# KiCad board manila_ice.kicad_pcb (continued)
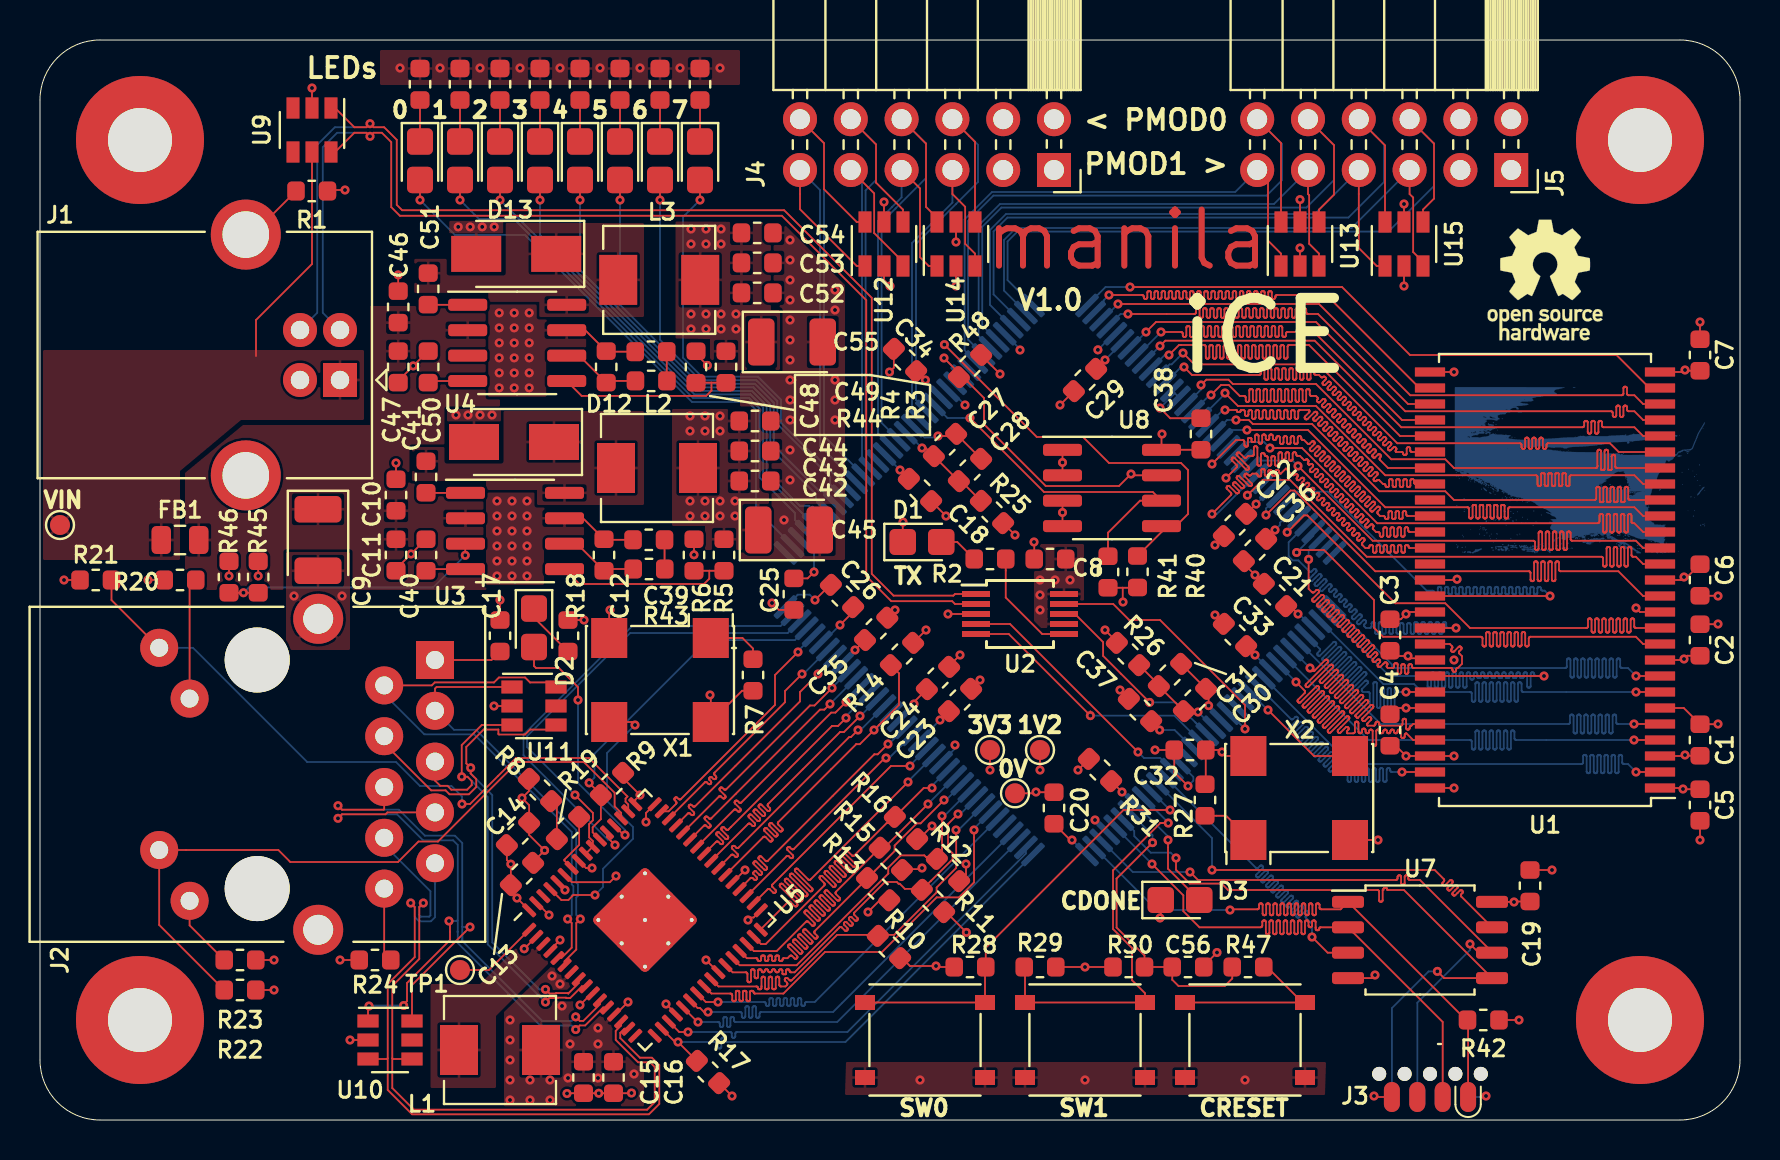
[diagram p0: board, top side]
## Routing (per net, layer and track width the routed paths; a pad name or vN(x,y) marks a point on that pad's centre or on a via; arc(x,y) is an arc through that point) (continued)
/SDRAM/ADDRESS1: length 31
  Top w0.089: v1(55.3,39.4) 55.8,39.9 63.8,39.9 68.26,35.44 78.55,35.44 78.57,35.44 78.59,35.43 78.6,35.42 78.62,35.4 78.63,35.39 78.64,35.37 78.64,35.35 78.64,35.24 78.64,35.22 78.65,35.2 78.66,35.18 78.67,35.17 78.69,35.16 78.71,35.15 78.73,35.15 78.75,35.15 78.77,35.16 78.78,35.17 78.8,35.18 78.81,35.2 78.81,35.22 78.82,35.24 78.82,35.64 78.82,35.66 78.82,35.67 78.83,35.69 78.85,35.7 78.87,35.72 78.88,35.72 78.9,35.72 78.92,35.72 78.94,35.72 78.96,35.7 78.97,35.69 78.98,35.67 78.99,35.66 78.99,35.64 78.99,35.24 79,35.22 79,35.2 79.01,35.18 79.03,35.17 79.04,35.16 79.06,35.15 79.08,35.15 79.1,35.15 79.12,35.16 79.14,35.17 79.15,35.18 79.16,35.2 79.17,35.22 79.17,35.24 79.17,35.64 79.17,35.66 79.18,35.67 79.19,35.69 79.2,35.7 79.22,35.72 79.24,35.72 79.26,35.72 79.28,35.72 79.3,35.72 79.32,35.7 79.33,35.69 79.34,35.67 79.35,35.66 79.35,35.64 79.35,35.53 79.35,35.51 79.36,35.49 79.37,35.47 79.38,35.46 79.4,35.45 79.42,35.44 79.44,35.44 79.72,35.44 80.16,35 U1.24
  Bottom w0.089: v1(55.3,39.4) 54.51,38.61 U6.7
/SDRAM/ADDRESS2: length 31
  Top w0.089: U1.25 80.16,35.8 79.72,36.24 79.44,36.24 79.42,36.24 79.4,36.25 79.38,36.26 79.37,36.27 79.36,36.29 79.35,36.31 79.35,36.33 79.35,36.58 79.35,36.6 79.34,36.62 79.33,36.63 79.32,36.65 79.3,36.66 79.28,36.67 79.26,36.67 79.24,36.67 79.22,36.66 79.2,36.65 79.19,36.63 79.18,36.62 79.17,36.6 79.17,36.58 79.17,36.33 79.17,36.31 79.16,36.29 79.15,36.27 79.14,36.26 79.12,36.25 79.1,36.24 79.08,36.24 68.51,36.24 63.95,40.8 v1(53.9,40.8)
  Bottom w0.089: v1(53.9,40.8) 53.12,40.02 U6.3 53.06,40.03
/SDRAM/ADDRESS3: length 31.2
  Top w0.089: v1(54.5,41.65) 65.1,41.65 68.5,38.25 78.82,38.25 80.47,36.6 U1.26
  Bottom w0.089: v1(54.5,41.65) 53.27,41.65 U6.1 52.48,40.73
/SDRAM/ADDRESS4: length 31
  Top w0.089: v1(53.45,41.25) 55.1,41.25 55.12,41.25 55.14,41.24 55.16,41.23 55.17,41.22 55.18,41.2 55.19,41.18 55.19,41.16 55.19,41.14 55.19,41.12 55.2,41.1 55.21,41.08 55.22,41.07 55.24,41.06 55.26,41.05 55.28,41.05 55.3,41.05 55.32,41.06 55.33,41.07 55.35,41.08 55.36,41.1 55.36,41.12 55.37,41.14 55.37,41.36 55.37,41.38 55.38,41.4 55.39,41.42 55.4,41.43 55.42,41.44 55.44,41.45 55.46,41.45 55.48,41.45 55.49,41.44 55.51,41.43 55.53,41.42 55.54,41.4 55.54,41.38 55.54,41.36 55.54,41.14 55.55,41.12 55.55,41.1 55.56,41.08 55.58,41.07 55.59,41.06 55.61,41.05 55.63,41.05 55.65,41.05 55.67,41.06 55.69,41.07 55.7,41.08 55.71,41.1 55.72,41.12 55.72,41.14 55.72,41.36 55.72,41.38 55.73,41.4 55.74,41.42 55.76,41.43 55.77,41.44 55.79,41.45 55.81,41.45 55.83,41.45 55.85,41.44 55.87,41.43 55.88,41.42 55.89,41.4 55.9,41.38 55.9,41.36 55.9,41.14 55.9,41.12 55.91,41.1 55.92,41.08 55.93,41.07 55.95,41.06 55.97,41.05 55.99,41.05 56.01,41.05 56.03,41.06 56.04,41.07 56.06,41.08 56.07,41.1 56.08,41.12 56.08,41.14 56.08,41.36 56.08,41.38 56.09,41.4 56.1,41.42 56.11,41.43 56.13,41.44 56.15,41.45 56.17,41.45 56.19,41.45 56.21,41.44 56.22,41.43 56.24,41.42 56.25,41.4 56.25,41.38 56.26,41.36 56.26,41.14 56.26,41.12 56.26,41.1 56.28,41.08 56.29,41.07 56.31,41.06 56.32,41.05 56.34,41.05 56.36,41.05 56.38,41.06 56.4,41.07 56.41,41.08 56.42,41.1 56.43,41.12 56.43,41.14 56.43,41.36 56.44,41.38 56.44,41.4 56.45,41.42 56.47,41.43 56.48,41.44 56.5,41.45 56.52,41.45 56.54,41.45 56.56,41.44 56.58,41.43 56.59,41.42 56.6,41.4 56.61,41.38 56.61,41.36 56.61,41.14 56.61,41.12 56.62,41.1 56.63,41.08 56.64,41.07 56.66,41.06 56.68,41.05 56.7,41.05 56.72,41.05 56.74,41.06 56.76,41.07 56.77,41.08 56.78,41.1 56.79,41.12 56.79,41.14 56.79,41.36 56.79,41.38 56.8,41.4 56.81,41.42 56.82,41.43 56.84,41.44 56.86,41.45 56.88,41.45 56.9,41.45 56.92,41.44 56.93,41.43 56.95,41.42 56.96,41.4 56.96,41.38 56.97,41.36 56.97,41.14 56.97,41.12 56.98,41.1 56.99,41.08 57,41.07 57.02,41.06 57.04,41.05 57.06,41.05 57.08,41.05 57.09,41.06 57.11,41.07 57.13,41.08 57.14,41.1 57.14,41.12 57.14,41.14 57.14,41.36 57.15,41.38 57.15,41.4 57.16,41.42 57.18,41.43 57.2,41.44 57.21,41.45 57.23,41.45 57.25,41.45 57.27,41.44 57.29,41.43 57.3,41.42 57.31,41.4 57.32,41.38 57.32,41.36 57.32,41.14 57.32,41.12 57.33,41.1 57.34,41.08 57.36,41.07 57.37,41.06 57.39,41.05 57.41,41.05 57.43,41.05 57.45,41.06 57.47,41.07 57.48,41.08 57.49,41.1 57.5,41.12 57.5,41.14 57.5,41.36 57.5,41.38 57.51,41.4 57.52,41.42 57.53,41.43 57.55,41.44 57.57,41.45 57.59,41.45 57.61,41.45 57.63,41.44 57.64,41.43 57.66,41.42 57.67,41.4 57.68,41.38 57.68,41.36 57.68,41.14 57.68,41.12 57.69,41.1 57.7,41.08 57.71,41.07 57.73,41.06 57.75,41.05 57.77,41.05 57.79,41.05 57.81,41.06 57.82,41.07 57.84,41.08 57.85,41.1 57.85,41.12 57.86,41.14 57.86,41.36 57.86,41.38 57.86,41.4 57.88,41.42 57.89,41.43 57.91,41.44 57.93,41.45 57.94,41.45 57.96,41.45 57.98,41.44 58,41.43 58.01,41.42 58.02,41.4 58.03,41.38 58.03,41.36 58.03,41.14 58.04,41.12 58.04,41.1 58.05,41.08 58.07,41.07 58.08,41.06 58.1,41.05 58.12,41.05 58.14,41.05 58.16,41.06 58.18,41.07 58.19,41.08 58.2,41.1 58.21,41.12 58.21,41.14 58.21,41.36 58.21,41.38 58.22,41.4 58.23,41.42 58.24,41.43 58.26,41.44 58.28,41.45 58.3,41.45 58.32,41.45 58.34,41.44 58.36,41.43 58.37,41.42 58.38,41.4 58.39,41.38 58.39,41.36 58.39,41.14 58.39,41.12 58.4,41.1 58.41,41.08 58.42,41.07 58.44,41.06 58.46,41.05 58.48,41.05 58.5,41.05 58.52,41.06 58.53,41.07 58.55,41.08 58.56,41.1 58.56,41.12 58.57,41.14 58.57,41.36 58.57,41.38 58.58,41.4 58.59,41.42 58.6,41.43 58.62,41.44 58.64,41.45 58.66,41.45 58.68,41.45 58.69,41.44 58.71,41.43 58.73,41.42 58.74,41.4 58.74,41.38 58.74,41.36 58.74,41.14 58.75,41.12 58.75,41.1 58.76,41.08 58.78,41.07 58.8,41.06 58.81,41.05 58.83,41.05 58.85,41.05 58.87,41.06 58.89,41.07 58.9,41.08 58.91,41.1 58.92,41.12 58.92,41.14 58.92,41.36 58.92,41.38 58.93,41.4 58.94,41.42 58.96,41.43 58.97,41.44 58.99,41.45 59.01,41.45 59.03,41.45 59.05,41.44 59.07,41.43 59.08,41.42 59.09,41.4 59.1,41.38 59.1,41.36 59.1,41.14 59.1,41.12 59.11,41.1 59.12,41.08 59.13,41.07 59.15,41.06 59.17,41.05 59.19,41.05 59.21,41.05 59.23,41.06 59.24,41.07 59.26,41.08 59.27,41.1 59.28,41.12 59.28,41.14 59.28,41.36 59.28,41.38 59.29,41.4 59.3,41.42 59.31,41.43 59.33,41.44 59.35,41.45 59.37,41.45 59.39,41.45 59.41,41.44 59.42,41.43 59.44,41.42 59.45,41.4 59.45,41.38 59.46,41.36 59.46,41.14 59.46,41.12 59.46,41.1 59.48,41.08 59.49,41.07 59.51,41.06 59.53,41.05 59.55,41.05 59.56,41.05 59.58,41.06 59.6,41.07 59.61,41.08 59.63,41.1 59.63,41.12 59.63,41.14 59.63,41.36 59.64,41.38 59.64,41.4 59.65,41.42 59.67,41.43 59.68,41.44 59.7,41.45 59.72,41.45 59.74,41.45 59.76,41.44 59.78,41.43 59.79,41.42 59.8,41.4 59.81,41.38 59.81,41.36 59.81,41.14 59.81,41.12 59.82,41.1 59.83,41.08 59.85,41.07 59.86,41.06 59.88,41.05 59.9,41.05 59.92,41.05 59.94,41.06 59.96,41.07 59.97,41.08 59.98,41.1 59.99,41.12 59.99,41.14 59.99,41.36 59.99,41.38 60,41.4 60.01,41.42 60.02,41.43 60.04,41.44 60.06,41.45 60.08,41.45 60.1,41.45 60.12,41.44 60.13,41.43 60.15,41.42 60.16,41.4 60.17,41.38 60.17,41.36 60.17,41.14 60.17,41.12 60.18,41.1 60.19,41.08 60.2,41.07 60.22,41.06 60.24,41.05 60.26,41.05 60.28,41.05 60.29,41.06 60.31,41.07 60.33,41.08 60.34,41.1 60.34,41.12 60.35,41.14 60.35,41.36 60.35,41.38 60.35,41.4 60.36,41.42 60.38,41.43 60.4,41.44 60.41,41.45 60.43,41.45 60.45,41.45 60.47,41.44 60.49,41.43 60.5,41.42 60.51,41.4 60.52,41.38 60.52,41.36 60.52,41.14 60.53,41.12 60.53,41.1 60.54,41.08 60.56,41.07 60.57,41.06 60.59,41.05 60.61,41.05 60.63,41.05 60.65,41.06 60.67,41.07 60.68,41.08 60.69,41.1 60.7,41.12 60.7,41.14 60.7,41.36 60.7,41.38 60.71,41.4 60.72,41.42 60.73,41.43 60.75,41.44 60.77,41.45 60.79,41.45 60.81,41.45 60.83,41.44 60.85,41.43 60.86,41.42 60.87,41.4 60.88,41.38 60.88,41.36 60.88,41.14 60.88,41.12 60.89,41.1 60.9,41.08 60.91,41.07 60.93,41.06 60.95,41.05 60.97,41.05 60.99,41.05 61.01,41.06 61.02,41.07 61.04,41.08 61.05,41.1 61.05,41.12 61.06,41.14 61.06,41.36 61.06,41.38 61.07,41.4 61.08,41.42 61.09,41.43 61.11,41.44 61.13,41.45 61.15,41.45 61.16,41.45 61.18,41.44 61.2,41.43 61.21,41.42 61.23,41.4 61.23,41.38 61.23,41.36 61.23,41.14 61.24,41.12 61.24,41.1 61.25,41.08 61.27,41.07 61.28,41.06 61.3,41.05 61.32,41.05 61.34,41.05 61.36,41.06 61.38,41.07 61.39,41.08 61.4,41.1 61.41,41.12 61.41,41.14 61.41,41.36 61.41,41.38 61.42,41.4 61.43,41.42 61.45,41.43 61.46,41.44 61.48,41.45 61.5,41.45 61.52,41.45 61.54,41.44 61.56,41.43 61.57,41.42 61.58,41.4 61.59,41.38 61.59,41.36 61.59,41.14 61.59,41.12 61.6,41.1 61.61,41.08 61.62,41.07 61.64,41.06 61.66,41.05 61.68,41.05 61.7,41.05 61.72,41.06 61.73,41.07 61.75,41.08 61.76,41.1 61.77,41.12 61.77,41.14 61.77,41.16 61.77,41.18 61.78,41.2 61.79,41.22 61.8,41.23 61.82,41.24 61.84,41.25 61.86,41.25 64.32,41.25 68.97,36.6 U1.29
  Bottom w0.089: v1(53.45,41.25) 53.19,40.99 53.19,40.85 U6.2
/SDRAM/ADDRESS5: length 31
  Top w0.089: U1.30 68.4,35.8 63.9,40.3 63.4,40.3 63.38,40.3 63.36,40.31 63.34,40.32 63.33,40.33 63.32,40.35 63.31,40.37 63.31,40.39 63.31,40.51 63.31,40.52 63.3,40.54 63.29,40.56 63.28,40.57 63.26,40.59 63.24,40.59 63.22,40.59 63.2,40.59 63.18,40.59 63.17,40.57 63.15,40.56 63.14,40.54 63.14,40.52 63.13,40.51 63.13,40.19 63.13,40.18 63.12,40.16 63.11,40.14 63.1,40.13 63.08,40.11 63.06,40.11 63.04,40.11 63.02,40.11 63.01,40.11 62.99,40.13 62.97,40.14 62.96,40.16 62.96,40.18 62.96,40.19 62.96,40.51 62.95,40.52 62.95,40.54 62.94,40.56 62.92,40.57 62.91,40.59 62.89,40.59 62.87,40.59 62.85,40.59 62.83,40.59 62.81,40.57 62.8,40.56 62.79,40.54 62.78,40.52 62.78,40.51 62.78,40.19 62.78,40.18 62.77,40.16 62.76,40.14 62.74,40.13 62.73,40.11 62.71,40.11 62.69,40.11 62.67,40.11 62.65,40.11 62.63,40.13 62.62,40.14 62.61,40.16 62.6,40.18 62.6,40.19 62.6,40.51 62.6,40.52 62.59,40.54 62.58,40.56 62.57,40.57 62.55,40.59 62.53,40.59 62.51,40.59 62.49,40.59 62.47,40.59 62.46,40.57 62.44,40.56 62.43,40.54 62.42,40.52 62.42,40.51 62.42,40.19 62.42,40.18 62.41,40.16 62.4,40.14 62.39,40.13 62.37,40.11 62.35,40.11 62.33,40.11 62.31,40.11 62.29,40.11 62.28,40.13 62.26,40.14 62.25,40.16 62.25,40.18 62.24,40.19 62.24,40.51 62.24,40.52 62.24,40.54 62.22,40.56 62.21,40.57 62.19,40.59 62.18,40.59 62.16,40.59 62.14,40.59 62.12,40.59 62.1,40.57 62.09,40.56 62.08,40.54 62.07,40.52 62.07,40.51 62.07,40.19 62.06,40.18 62.06,40.16 62.05,40.14 62.03,40.13 62.02,40.11 62,40.11 61.98,40.11 61.96,40.11 61.94,40.11 61.92,40.13 61.91,40.14 61.9,40.16 61.89,40.18 61.89,40.19 61.89,40.51 61.89,40.52 61.88,40.54 61.87,40.56 61.86,40.57 61.84,40.59 61.82,40.59 61.8,40.59 61.78,40.59 61.76,40.59 61.74,40.57 61.73,40.56 61.72,40.54 61.71,40.52 61.71,40.51 61.71,40.19 61.71,40.18 61.7,40.16 61.69,40.14 61.68,40.13 61.66,40.11 61.64,40.11 61.62,40.11 61.6,40.11 61.58,40.11 61.57,40.13 61.55,40.14 61.54,40.16 61.54,40.18 61.53,40.19 61.53,40.51 61.53,40.52 61.52,40.54 61.51,40.56 61.5,40.57 61.48,40.59 61.46,40.59 61.44,40.59 61.42,40.59 61.41,40.59 61.39,40.57 61.37,40.56 61.36,40.54 61.36,40.52 61.36,40.51 61.36,40.19 61.35,40.18 61.35,40.16 61.34,40.14 61.32,40.13 61.3,40.11 61.29,40.11 61.27,40.11 61.25,40.11 61.23,40.11 61.21,40.13 61.2,40.14 61.19,40.16 61.18,40.18 61.18,40.19 61.18,40.51 61.18,40.52 61.17,40.54 61.16,40.56 61.14,40.57 61.13,40.59 61.11,40.59 61.09,40.59 61.07,40.59 61.05,40.59 61.03,40.57 61.02,40.56 61.01,40.54 61,40.52 61,40.51 61,40.19 61,40.18 60.99,40.16 60.98,40.14 60.97,40.13 60.95,40.11 60.93,40.11 60.91,40.11 60.89,40.11 60.87,40.11 60.86,40.13 60.84,40.14 60.83,40.16 60.82,40.18 60.82,40.19 60.82,40.51 60.82,40.52 60.81,40.54 60.8,40.56 60.79,40.57 60.77,40.59 60.75,40.59 60.73,40.59 60.71,40.59 60.69,40.59 60.68,40.57 60.66,40.56 60.65,40.54 60.65,40.52 60.64,40.51 60.64,40.19 60.64,40.18 60.64,40.16 60.62,40.14 60.61,40.13 60.59,40.11 60.57,40.11 60.56,40.11 60.54,40.11 60.52,40.11 60.5,40.13 60.49,40.14 60.48,40.16 60.47,40.18 60.47,40.19 60.47,40.51 60.46,40.52 60.46,40.54 60.45,40.56 60.43,40.57 60.42,40.59 60.4,40.59 60.38,40.59 60.36,40.59 60.34,40.59 60.32,40.57 60.31,40.56 60.3,40.54 60.29,40.52 60.29,40.51 60.29,40.19 60.29,40.18 60.28,40.16 60.27,40.14 60.26,40.13 60.24,40.11 60.22,40.11 60.2,40.11 60.18,40.11 60.16,40.11 60.14,40.13 60.13,40.14 60.12,40.16 60.11,40.18 60.11,40.19 60.11,40.51 60.11,40.52 60.1,40.54 60.09,40.56 60.08,40.57 60.06,40.59 60.04,40.59 60.02,40.59 60,40.59 59.98,40.59 59.97,40.57 59.95,40.56 59.94,40.54 59.94,40.52 59.93,40.51 59.93,40.19 59.93,40.18 59.92,40.16 59.91,40.14 59.9,40.13 59.88,40.11 59.86,40.11 59.84,40.11 59.82,40.11 59.81,40.11 59.79,40.13 59.77,40.14 59.76,40.16 59.76,40.18 59.76,40.19 59.76,40.51 59.75,40.52 59.75,40.54 59.74,40.56 59.72,40.57 59.7,40.59 59.69,40.59 59.67,40.59 59.65,40.59 59.63,40.59 59.61,40.57 59.6,40.56 59.59,40.54 59.58,40.52 59.58,40.51 59.58,40.19 59.58,40.18 59.57,40.16 59.56,40.14 59.54,40.13 59.53,40.11 59.51,40.11 59.49,40.11 59.47,40.11 59.45,40.11 59.43,40.13 59.42,40.14 59.41,40.16 59.4,40.18 59.4,40.19 59.4,40.51 59.4,40.52 59.39,40.54 59.38,40.56 59.37,40.57 59.35,40.59 59.33,40.59 59.31,40.59 59.29,40.59 59.27,40.59 59.26,40.57 59.24,40.56 59.23,40.54 59.22,40.52 59.22,40.51 59.22,40.19 59.22,40.18 59.21,40.16 59.2,40.14 59.19,40.13 59.17,40.11 59.15,40.11 59.13,40.11 59.11,40.11 59.09,40.11 59.08,40.13 59.06,40.14 59.05,40.16 59.05,40.18 59.04,40.19 59.04,40.51 59.04,40.52 59.04,40.54 59.02,40.56 59.01,40.57 58.99,40.59 58.97,40.59 58.95,40.59 58.94,40.59 58.92,40.59 58.9,40.57 58.89,40.56 58.87,40.54 58.87,40.52 58.87,40.51 58.87,40.19 58.86,40.18 58.86,40.16 58.85,40.14 58.83,40.13 58.82,40.11 58.8,40.11 58.78,40.11 58.76,40.11 58.74,40.11 58.72,40.13 58.71,40.14 58.7,40.16 58.69,40.18 58.69,40.19 58.69,40.51 58.69,40.52 58.68,40.54 58.67,40.56 58.65,40.57 58.64,40.59 58.62,40.59 58.6,40.59 58.58,40.59 58.56,40.59 58.54,40.57 58.53,40.56 58.52,40.54 58.51,40.52 58.51,40.51 58.51,40.19 58.51,40.18 58.5,40.16 58.49,40.14 58.48,40.13 58.46,40.11 58.44,40.11 58.42,40.11 58.4,40.11 58.38,40.11 58.37,40.13 58.35,40.14 58.34,40.16 58.33,40.18 58.33,40.19 58.33,40.51 58.33,40.52 58.32,40.54 58.31,40.56 58.3,40.57 58.28,40.59 58.26,40.59 58.24,40.59 58.22,40.59 58.21,40.59 58.19,40.57 58.17,40.56 58.16,40.54 58.16,40.52 58.15,40.51 58.15,40.19 58.15,40.18 58.15,40.16 58.14,40.14 58.12,40.13 58.1,40.11 58.09,40.11 58.07,40.11 58.05,40.11 58.03,40.11 58.01,40.13 58,40.14 57.99,40.16 57.98,40.18 57.98,40.19 57.98,40.51 57.97,40.52 57.97,40.54 57.96,40.56 57.94,40.57 57.93,40.59 57.91,40.59 57.89,40.59 57.87,40.59 57.85,40.59 57.83,40.57 57.82,40.56 57.81,40.54 57.8,40.52 57.8,40.51 57.8,40.39 57.8,40.37 57.79,40.35 57.78,40.33 57.77,40.32 57.75,40.31 57.73,40.3 57.71,40.3 v1(54.4,40.3)
  Bottom w0.089: v1(54.4,40.3) 54.03,40.3 53.41,39.69 U6.4
/SDRAM/ADDRESS6: length 30.6
  Top w0.089: U1.31 68.1,35 63.7,39.4 62.38,39.4 62.36,39.4 62.35,39.39 62.33,39.38 62.31,39.37 62.3,39.35 62.3,39.33 62.3,39.31 62.3,39.24 62.29,39.22 62.29,39.2 62.28,39.18 62.26,39.17 62.24,39.16 62.23,39.15 62.21,39.15 62.19,39.15 62.17,39.16 62.15,39.17 62.14,39.18 62.13,39.2 62.12,39.22 62.12,39.24 62.12,39.61 62.12,39.63 62.11,39.65 62.1,39.67 62.08,39.68 62.07,39.69 62.05,39.7 62.03,39.7 62.01,39.7 61.99,39.69 61.97,39.68 61.96,39.67 61.95,39.65 61.94,39.63 61.94,39.61 61.94,39.24 61.94,39.22 61.93,39.2 61.92,39.18 61.91,39.17 61.89,39.16 61.87,39.15 61.85,39.15 61.83,39.15 61.81,39.16 61.8,39.17 61.78,39.18 61.77,39.2 61.76,39.22 61.76,39.24 61.76,39.61 61.76,39.63 61.75,39.65 61.74,39.67 61.73,39.68 61.71,39.69 61.69,39.7 61.67,39.7 61.65,39.7 61.63,39.69 61.62,39.68 61.6,39.67 61.59,39.65 61.59,39.63 61.58,39.61 61.58,39.24 61.58,39.22 61.58,39.2 61.56,39.18 61.55,39.17 61.53,39.16 61.51,39.15 61.49,39.15 61.48,39.15 61.46,39.16 61.44,39.17 61.43,39.18 61.41,39.2 61.41,39.22 61.41,39.24 61.41,39.61 61.4,39.63 61.4,39.65 61.39,39.67 61.37,39.68 61.36,39.69 61.34,39.7 61.32,39.7 61.3,39.7 61.28,39.69 61.26,39.68 61.25,39.67 61.24,39.65 61.23,39.63 61.23,39.61 61.23,39.24 61.23,39.22 61.22,39.2 61.21,39.18 61.19,39.17 61.18,39.16 61.16,39.15 61.14,39.15 61.12,39.15 61.1,39.16 61.08,39.17 61.07,39.18 61.06,39.2 61.05,39.22 61.05,39.24 61.05,39.61 61.05,39.63 61.04,39.65 61.03,39.67 61.02,39.68 61,39.69 60.98,39.7 60.96,39.7 60.94,39.7 60.92,39.69 60.91,39.68 60.89,39.67 60.88,39.65 60.87,39.63 60.87,39.61 60.87,39.24 60.87,39.22 60.86,39.2 60.85,39.18 60.84,39.17 60.82,39.16 60.8,39.15 60.78,39.15 60.76,39.15 60.75,39.16 60.73,39.17 60.71,39.18 60.7,39.2 60.7,39.22 60.69,39.24 60.69,39.61 60.69,39.63 60.69,39.65 60.68,39.67 60.66,39.68 60.64,39.69 60.63,39.7 60.61,39.7 60.59,39.7 60.57,39.69 60.55,39.68 60.54,39.67 60.53,39.65 60.52,39.63 60.52,39.61 60.52,39.24 60.51,39.22 60.51,39.2 60.5,39.18 60.48,39.17 60.47,39.16 60.45,39.15 60.43,39.15 60.41,39.15 60.39,39.16 60.37,39.17 60.36,39.18 60.35,39.2 60.34,39.22 60.34,39.24 60.34,39.61 60.34,39.63 60.33,39.65 60.32,39.67 60.31,39.68 60.29,39.69 60.27,39.7 60.25,39.7 60.23,39.7 60.21,39.69 60.19,39.68 60.18,39.67 60.17,39.65 60.16,39.63 60.16,39.61 60.16,39.24 60.16,39.22 60.15,39.2 60.14,39.18 60.13,39.17 60.11,39.16 60.09,39.15 60.07,39.15 60.05,39.15 60.03,39.16 60.02,39.17 60,39.18 59.99,39.2 59.99,39.22 59.98,39.24 59.98,39.61 59.98,39.63 59.97,39.65 59.96,39.67 59.95,39.68 59.93,39.69 59.91,39.7 59.89,39.7 59.88,39.7 59.86,39.69 59.84,39.68 59.83,39.67 59.81,39.65 59.81,39.63 59.81,39.61 59.81,39.24 59.8,39.22 59.8,39.2 59.79,39.18 59.77,39.17 59.76,39.16 59.74,39.15 59.72,39.15 59.7,39.15 59.68,39.16 59.66,39.17 59.65,39.18 59.64,39.2 59.63,39.22 59.63,39.24 59.63,39.61 59.63,39.63 59.62,39.65 59.61,39.67 59.59,39.68 59.58,39.69 59.56,39.7 59.54,39.7 59.52,39.7 59.5,39.69 59.48,39.68 59.47,39.67 59.46,39.65 59.45,39.63 59.45,39.61 59.45,39.24 59.45,39.22 59.44,39.2 59.43,39.18 59.42,39.17 59.4,39.16 59.38,39.15 59.36,39.15 59.34,39.15 59.32,39.16 59.31,39.17 59.29,39.18 59.28,39.2 59.27,39.22 59.27,39.24 59.27,39.61 59.27,39.63 59.26,39.65 59.25,39.67 59.24,39.68 59.22,39.69 59.2,39.7 59.18,39.7 59.16,39.7 59.15,39.69 59.13,39.68 59.11,39.67 59.1,39.65 59.1,39.63 59.09,39.61 59.09,39.24 59.09,39.22 59.09,39.2 59.08,39.18 59.06,39.17 59.04,39.16 59.03,39.15 59.01,39.15 58.99,39.15 58.97,39.16 58.95,39.17 58.94,39.18 58.93,39.2 58.92,39.22 58.92,39.24 58.92,39.61 58.91,39.63 58.91,39.65 58.9,39.67 58.88,39.68 58.87,39.69 58.85,39.7 58.83,39.7 58.81,39.7 58.79,39.69 58.77,39.68 58.76,39.67 58.75,39.65 58.74,39.63 58.74,39.61 58.74,39.24 58.74,39.22 58.73,39.2 58.72,39.18 58.71,39.17 58.69,39.16 58.67,39.15 58.65,39.15 58.63,39.15 58.61,39.16 58.59,39.17 58.58,39.18 58.57,39.2 58.56,39.22 58.56,39.24 58.56,39.61 58.56,39.63 58.55,39.65 58.54,39.67 58.53,39.68 58.51,39.69 58.49,39.7 58.47,39.7 58.45,39.7 58.43,39.69 58.42,39.68 58.4,39.67 58.39,39.65 58.39,39.63 58.38,39.61 58.38,39.24 58.38,39.22 58.37,39.2 58.36,39.18 58.35,39.17 58.33,39.16 58.31,39.15 58.29,39.15 58.27,39.15 58.26,39.16 58.24,39.17 58.23,39.18 58.21,39.2 58.21,39.22 58.21,39.24 58.21,39.61 58.2,39.63 58.2,39.65 58.19,39.67 58.17,39.68 58.16,39.69 58.14,39.7 58.12,39.7 58.1,39.7 58.08,39.69 58.06,39.68 58.05,39.67 58.04,39.65 58.03,39.63 58.03,39.61 58.03,39.24 58.03,39.22 58.02,39.2 58.01,39.18 57.99,39.17 57.98,39.16 57.96,39.15 57.94,39.15 57.92,39.15 57.9,39.16 57.88,39.17 57.87,39.18 57.86,39.2 57.85,39.22 57.85,39.24 57.85,39.61 57.85,39.63 57.84,39.65 57.83,39.67 57.82,39.68 57.8,39.69 57.78,39.7 57.76,39.7 57.74,39.7 57.72,39.69 57.71,39.68 57.69,39.67 57.68,39.65 57.67,39.63 57.67,39.61 57.67,39.24 57.67,39.22 57.66,39.2 57.65,39.18 57.64,39.17 57.62,39.16 57.6,39.15 57.58,39.15 57.56,39.15 57.54,39.16 57.53,39.17 57.51,39.18 57.5,39.2 57.5,39.22 57.49,39.24 57.49,39.61 57.49,39.63 57.49,39.65 57.48,39.67 57.46,39.68 57.44,39.69 57.43,39.7 57.41,39.7 57.39,39.7 57.37,39.69 57.35,39.68 57.34,39.67 57.33,39.65 57.32,39.63 57.32,39.61 57.32,39.24 57.31,39.22 57.31,39.2 57.3,39.18 57.28,39.17 57.27,39.16 57.25,39.15 57.23,39.15 57.21,39.15 57.19,39.16 57.17,39.17 57.16,39.18 57.15,39.2 57.14,39.22 57.14,39.24 57.14,39.31 57.14,39.33 57.13,39.35 57.12,39.37 57.11,39.38 57.09,39.39 57.07,39.4 57.05,39.4 v1(56.05,39.4)
  Bottom w0.089: v1(56.05,39.4) 54.9,38.25 U6.8 54.91,38.25
/SDRAM/ADDRESS7: length 31
  Top w0.089: U1.32 68,34.2 63.45,38.75 62.47,38.75 62.45,38.75 62.43,38.74 62.41,38.73 62.4,38.72 62.39,38.7 62.38,38.68 62.38,38.66 62.38,38.15 62.38,38.13 62.37,38.11 62.36,38.1 62.34,38.08 62.33,38.07 62.31,38.06 62.29,38.06 62.27,38.06 62.25,38.07 62.23,38.08 62.22,38.1 62.21,38.11 62.2,38.13 62.2,38.15 62.2,38.66 62.2,38.68 62.19,38.7 62.18,38.72 62.17,38.73 62.15,38.74 62.13,38.75 62.11,38.75 62.09,38.75 62.07,38.74 62.06,38.73 62.04,38.72 62.03,38.7 62.02,38.68 62.02,38.66 62.02,38.15 62.02,38.13 62.01,38.11 62,38.1 61.99,38.08 61.97,38.07 61.95,38.06 61.93,38.06 61.91,38.06 61.9,38.07 61.88,38.08 61.86,38.1 61.85,38.11 61.85,38.13 61.84,38.15 61.84,38.66 61.84,38.68 61.84,38.7 61.83,38.72 61.81,38.73 61.79,38.74 61.78,38.75 61.76,38.75 61.74,38.75 61.72,38.74 61.7,38.73 61.69,38.72 61.68,38.7 61.67,38.68 61.67,38.66 61.67,38.15 61.66,38.13 61.66,38.11 61.65,38.1 61.63,38.08 61.62,38.07 61.6,38.06 61.58,38.06 61.56,38.06 61.54,38.07 61.52,38.08 61.51,38.1 61.5,38.11 61.49,38.13 61.49,38.15 61.49,38.66 61.49,38.68 61.48,38.7 61.47,38.72 61.46,38.73 61.44,38.74 61.42,38.75 61.4,38.75 61.38,38.75 61.36,38.74 61.34,38.73 61.33,38.72 61.32,38.7 61.31,38.68 61.31,38.66 61.31,38.15 61.31,38.13 61.3,38.11 61.29,38.1 61.28,38.08 61.26,38.07 61.24,38.06 61.22,38.06 61.2,38.06 61.18,38.07 61.17,38.08 61.15,38.1 61.14,38.11 61.14,38.13 61.13,38.15 61.13,38.66 61.13,38.68 61.12,38.7 61.11,38.72 61.1,38.73 61.08,38.74 61.06,38.75 61.04,38.75 61.03,38.75 61.01,38.74 60.99,38.73 60.98,38.72 60.96,38.7 60.96,38.68 60.96,38.66 60.96,38.15 60.95,38.13 60.95,38.11 60.94,38.1 60.92,38.08 60.91,38.07 60.89,38.06 60.87,38.06 60.85,38.06 60.83,38.07 60.81,38.08 60.8,38.1 60.79,38.11 60.78,38.13 60.78,38.15 60.78,38.66 60.78,38.68 60.77,38.7 60.76,38.72 60.74,38.73 60.73,38.74 60.71,38.75 60.69,38.75 60.67,38.75 60.65,38.74 60.63,38.73 60.62,38.72 60.61,38.7 60.6,38.68 60.6,38.66 60.6,38.15 60.6,38.13 60.59,38.11 60.58,38.1 60.57,38.08 60.55,38.07 60.53,38.06 60.51,38.06 60.49,38.06 60.47,38.07 60.46,38.08 60.44,38.1 60.43,38.11 60.42,38.13 60.42,38.15 60.42,38.66 60.42,38.68 60.41,38.7 60.4,38.72 60.39,38.73 60.37,38.74 60.35,38.75 60.33,38.75 60.31,38.75 60.3,38.74 60.28,38.73 60.26,38.72 60.25,38.7 60.25,38.68 60.24,38.66 60.24,38.15 60.24,38.13 60.24,38.11 60.23,38.1 60.21,38.08 60.19,38.07 60.18,38.06 60.16,38.06 60.14,38.06 60.12,38.07 60.1,38.08 60.09,38.1 60.08,38.11 60.07,38.13 60.07,38.15 60.07,38.66 60.06,38.68 60.06,38.7 60.05,38.72 60.03,38.73 60.02,38.74 60,38.75 59.98,38.75 59.96,38.75 59.94,38.74 59.92,38.73 59.91,38.72 59.9,38.7 59.89,38.68 59.89,38.66 59.89,38.15 59.89,38.13 59.88,38.11 59.87,38.1 59.86,38.08 59.84,38.07 59.82,38.06 59.8,38.06 59.78,38.06 59.76,38.07 59.74,38.08 59.73,38.1 59.72,38.11 59.71,38.13 59.71,38.15 59.71,38.66 59.71,38.68 59.7,38.7 59.69,38.72 59.68,38.73 59.66,38.74 59.64,38.75 59.62,38.75 59.6,38.75 59.58,38.74 59.57,38.73 59.55,38.72 59.54,38.7 59.54,38.68 59.53,38.66 59.53,38.15 59.53,38.13 59.52,38.11 59.51,38.1 59.5,38.08 59.48,38.07 59.46,38.06 59.44,38.06 59.42,38.06 59.41,38.07 59.39,38.08 59.38,38.1 59.36,38.11 59.36,38.13 59.36,38.15 59.36,38.66 59.35,38.68 59.35,38.7 59.34,38.72 59.32,38.73 59.31,38.74 59.29,38.75 59.27,38.75 59.25,38.75 59.23,38.74 59.21,38.73 59.2,38.72 59.19,38.7 59.18,38.68 59.18,38.66 59.18,38.15 59.18,38.13 59.17,38.11 59.16,38.1 59.14,38.08 59.13,38.07 59.11,38.06 59.09,38.06 59.07,38.06 59.05,38.07 59.03,38.08 59.02,38.1 59.01,38.11 59,38.13 59,38.15 59,38.66 59,38.68 58.99,38.7 58.98,38.72 58.97,38.73 58.95,38.74 58.93,38.75 58.91,38.75 58.89,38.75 58.87,38.74 58.86,38.73 58.84,38.72 58.83,38.7 58.82,38.68 58.82,38.66 58.82,38.15 58.82,38.13 58.81,38.11 58.8,38.1 58.79,38.08 58.77,38.07 58.75,38.06 58.73,38.06 58.71,38.06 58.69,38.07 58.68,38.08 58.66,38.1 58.65,38.11 58.65,38.13 58.64,38.15 58.64,38.66 58.64,38.68 58.64,38.7 58.63,38.72 58.61,38.73 58.59,38.74 58.58,38.75 58.56,38.75 58.54,38.75 58.52,38.74 58.5,38.73 58.49,38.72 58.48,38.7 58.47,38.68 58.47,38.66 58.47,38.15 58.46,38.13 58.46,38.11 58.45,38.1 58.43,38.08 58.42,38.07 58.4,38.06 58.38,38.06 58.36,38.06 58.34,38.07 58.32,38.08 58.31,38.1 58.3,38.11 58.29,38.13 58.29,38.15 58.29,38.66 58.29,38.68 58.28,38.7 58.27,38.72 58.26,38.73 58.24,38.74 58.22,38.75 58.2,38.75 57.05,38.75 57.05,38.75 56.95,38.75 v1(56.45,38.25)
  Bottom w0.089: U6.10 56.24,38.25 v1(56.45,38.25)
/SDRAM/ADDRESS8: length 32
  Top w0.089: U1.33 68.6,33.4 68.58,33.4 68.56,33.41 68.54,33.42 68.53,33.43 68.52,33.45 68.51,33.47 68.51,33.49 68.51,33.56 68.51,33.58 68.5,33.59 68.49,33.61 68.48,33.63 68.46,33.64 68.44,33.64 68.42,33.64 68.4,33.64 68.38,33.64 68.37,33.63 68.35,33.61 68.34,33.59 68.34,33.58 68.33,33.56 68.33,33.33 68.33,33.31 68.33,33.3 68.32,33.28 68.31,33.27 68.29,33.26 68.28,33.26 68.26,33.26 68.23,33.26 68.21,33.26 68.2,33.26 68.18,33.27 68.17,33.28 68.16,33.3 68.16,33.31 68.15,33.34 68.15,33.36 68.14,33.37 68.13,33.38 68.11,33.39 68.1,33.4 68.08,33.4 67.8,33.4 67.79,33.41 67.78,33.43 67.78,33.44 67.78,33.46 67.78,33.48 67.79,33.49 67.81,33.52 67.82,33.53 67.82,33.55 67.82,33.56 67.82,33.58 67.81,33.59 67.8,33.6 67.78,33.63 67.76,33.64 67.75,33.65 67.73,33.65 67.72,33.65 67.7,33.65 67.69,33.64 67.67,33.63 67.62,33.58 67.62,33.58 67.55,33.5 67.53,33.49 67.51,33.48 67.49,33.48 67.47,33.48 67.45,33.48 67.44,33.49 67.42,33.5 67.41,33.52 67.4,33.54 67.4,33.56 67.4,33.58 67.4,33.6 67.41,33.61 67.42,33.63 67.55,33.76 67.56,33.77 67.56,33.78 67.57,33.8 67.57,33.82 67.56,33.83 67.56,33.85 67.55,33.86 67.52,33.88 67.51,33.89 67.5,33.9 67.48,33.9 67.46,33.9 67.45,33.9 67.43,33.89 67.42,33.88 67.29,33.76 67.28,33.74 67.26,33.73 67.24,33.73 67.22,33.73 67.2,33.73 67.18,33.74 67.17,33.76 67.16,33.77 67.15,33.79 67.14,33.81 67.14,33.83 67.15,33.85 67.16,33.87 67.17,33.88 67.3,34.01 67.31,34.02 67.31,34.03 67.32,34.05 67.32,34.07 67.31,34.08 67.31,34.1 67.3,34.11 67.27,34.13 67.26,34.14 67.24,34.15 67.23,34.15 67.21,34.15 67.2,34.15 67.18,34.14 67.17,34.13 67.04,34.01 67.03,33.99 67.01,33.99 66.99,33.98 66.97,33.98 66.95,33.99 66.93,33.99 66.92,34.01 66.91,34.02 66.9,34.04 66.89,34.06 66.89,34.08 66.9,34.1 66.91,34.12 66.92,34.13 67.04,34.26 67.05,34.27 67.06,34.29 67.06,34.3 67.06,34.32 67.06,34.33 67.05,34.35 67.04,34.36 67.02,34.38 67.01,34.39 66.99,34.4 66.98,34.41 66.96,34.41 66.95,34.4 66.93,34.39 66.92,34.38 66.79,34.26 66.78,34.25 66.76,34.24 66.74,34.23 66.72,34.23 66.7,34.24 66.68,34.25 66.67,34.26 66.65,34.27 66.65,34.29 66.64,34.31 66.64,34.33 66.65,34.35 66.65,34.37 66.67,34.38 66.79,34.51 66.8,34.52 66.81,34.54 66.81,34.55 66.81,34.57 66.81,34.59 66.8,34.6 66.79,34.61 66.77,34.64 66.76,34.65 66.74,34.65 66.73,34.66 66.71,34.66 66.69,34.65 66.68,34.65 66.67,34.64 66.54,34.51 66.52,34.5 66.51,34.49 66.49,34.48 66.47,34.48 66.45,34.49 66.43,34.5 66.41,34.51 66.4,34.53 66.39,34.54 66.39,34.56 66.39,34.58 66.39,34.6 66.4,34.62 66.41,34.64 66.54,34.76 66.55,34.77 66.56,34.79 66.56,34.8 66.56,34.82 66.56,34.84 66.55,34.85 66.54,34.86 66.52,34.89 66.51,34.9 66.49,34.9 66.47,34.91 66.46,34.91 66.44,34.9 66.43,34.9 66.42,34.89 66.29,34.76 66.27,34.75 66.26,34.74 66.24,34.74 66.22,34.74 66.2,34.74 66.18,34.75 66.16,34.76 66.15,34.78 66.14,34.79 66.14,34.81 66.14,34.83 66.14,34.85 66.15,34.87 66.16,34.89 66.29,35.01 66.3,35.03 66.31,35.04 66.31,35.06 66.31,35.07 66.31,35.09 66.3,35.1 66.29,35.12 66.27,35.14 66.25,35.15 66.24,35.16 66.22,35.16 66.21,35.16 66.19,35.16 66.18,35.15 66.16,35.14 66.04,35.01 66.02,35 66,34.99 65.98,34.99 65.96,34.99 65.95,34.99 65.93,35 65.91,35.01 65.9,35.03 65.89,35.05 65.89,35.07 65.89,35.09 65.89,35.1 65.9,35.12 65.91,35.14 66.04,35.26 66.05,35.28 66.06,35.29 66.06,35.31 66.06,35.32 66.06,35.34 66.05,35.35 66.04,35.37 66.01,35.39 66,35.4 65.99,35.41 65.97,35.41 65.96,35.41 65.94,35.41 65.93,35.4 65.91,35.39 65.79,35.26 65.77,35.25 65.75,35.24 65.73,35.24 65.71,35.24 65.69,35.24 65.68,35.25 65.66,35.26 65.65,35.28 65.64,35.3 65.63,35.32 65.63,35.34 65.64,35.36 65.65,35.37 65.66,35.39 65.79,35.52 65.8,35.53 65.8,35.54 65.81,35.56 65.81,35.58 65.8,35.59 65.8,35.61 65.79,35.62 65.76,35.64 65.75,35.65 65.74,35.66 65.72,35.66 65.7,35.66 65.69,35.66 65.67,35.65 65.66,35.64 65.53,35.52 65.52,35.5 65.5,35.49 65.48,35.49 65.46,35.49 65.44,35.49 65.42,35.5 65.41,35.52 65.4,35.53 65.39,35.55 65.38,35.57 65.38,35.59 65.39,35.61 65.4,35.63 65.41,35.64 65.54,35.77 65.55,35.78 65.55,35.79 65.56,35.81 65.56,35.83 65.55,35.84 65.55,35.86 65.54,35.87 65.51,35.89 65.5,35.9 65.48,35.91 65.47,35.91 65.45,35.91 65.44,35.91 65.42,35.9 65.41,35.89 65.28,35.77 65.27,35.75 65.25,35.75 65.23,35.74 65.21,35.74 65.19,35.75 65.17,35.75 65.16,35.77 65.15,35.78 65.14,35.8 65.13,35.82 65.13,35.84 65.14,35.86 65.15,35.88 65.16,35.89 65.28,36.02 65.29,36.03 65.3,36.05 65.3,36.06 65.3,36.08 65.3,36.09 65.29,36.11 65.28,36.12 65.26,36.14 65.25,36.15 65.23,36.16 65.22,36.17 65.2,36.17 65.19,36.16 65.17,36.15 65.16,36.14 65.03,36.02 65.02,36.01 65,36 64.98,35.99 64.96,35.99 64.94,36 64.92,36.01 64.91,36.02 64.89,36.03 64.89,36.05 64.88,36.07 64.88,36.09 64.89,36.11 64.89,36.13 64.91,36.14 65.03,36.27 65.04,36.28 65.05,36.3 65.05,36.31 65.05,36.33 65.05,36.35 65.04,36.36 65.03,36.37 65.01,36.4 65,36.41 64.98,36.41 64.97,36.42 64.95,36.42 64.93,36.41 64.92,36.41 64.91,36.4 64.78,36.27 64.76,36.26 64.75,36.25 64.73,36.24 64.71,36.24 64.69,36.25 64.67,36.26 64.65,36.27 64.64,36.29 64.63,36.3 64.63,36.32 64.63,36.34 64.63,36.36 64.64,36.38 64.65,36.4 64.78,36.52 64.79,36.53 64.8,36.55 64.8,36.56 64.8,36.58 64.8,36.6 64.79,36.61 64.78,36.62 64.76,36.65 64.74,36.66 64.73,36.66 64.71,36.67 64.7,36.67 64.68,36.66 64.67,36.66 64.66,36.65 64.53,36.52 64.51,36.51 64.5,36.5 64.48,36.5 64.46,36.5 64.44,36.5 64.42,36.51 64.4,36.52 64.39,36.54 64.38,36.55 64.38,36.57 64.38,36.59 64.38,36.61 64.39,36.63 64.4,36.65 64.53,36.77 64.54,36.79 64.55,36.8 64.55,36.82 64.55,36.83 64.55,36.85 64.54,36.86 64.53,36.88 64.51,36.9 64.49,36.91 64.48,36.92 64.46,36.92 64.45,36.92 64.43,36.92 64.42,36.91 64.4,36.9 64.28,36.77 64.26,36.76 64.24,36.75 64.22,36.75 64.2,36.75 64.19,36.75 64.17,36.76 64.15,36.77 64.14,36.79 64.13,36.81 64.13,36.83 64.13,36.85 64.13,36.86 64.14,36.88 64.15,36.9 64.28,37.02 64.29,37.04 64.3,37.05 64.3,37.07 64.3,37.08 64.3,37.1 64.29,37.11 64.28,37.13 64.25,37.15 64.24,37.16 64.23,37.17 64.21,37.17 64.2,37.17 64.18,37.17 64.16,37.16 64.14,37.14 64.12,37.13 64.11,37.13 64.09,37.13 64.08,37.13 64.06,37.14 64.05,37.15 63.95,37.25 63.8,37.25 63.78,37.25 63.76,37.26 63.74,37.27 63.73,37.29 63.72,37.3 63.71,37.32 63.71,37.34 63.71,37.51 63.71,37.53 63.7,37.55 63.69,37.56 63.68,37.58 63.66,37.59 63.64,37.59 63.62,37.6 63.6,37.59 63.58,37.59 63.56,37.58 63.55,37.56 63.54,37.55 63.53,37.53 63.53,37.51 63.53,37.1 63.53,37.08 63.52,37.06 63.51,37.04 63.5,37.03 63.48,37.02 63.46,37.01 63.44,37.01 63.42,37.01 63.4,37.02 63.39,37.03 63.37,37.04 63.36,37.06 63.36,37.08 63.35,37.1 63.35,37.51 63.35,37.53 63.34,37.55 63.33,37.56 63.32,37.58 63.3,37.59 63.28,37.59 63.26,37.6 63.24,37.59 63.23,37.59 63.21,37.58 63.19,37.56 63.18,37.55 63.18,37.53 63.18,37.51 63.18,37.1 63.17,37.08 63.17,37.06 63.16,37.04 63.14,37.03 63.13,37.02 63.11,37.01 63.09,37.01 63.07,37.01 63.05,37.02 63.03,37.03 63.02,37.04 63.01,37.06 63,37.08 63,37.1 63,37.51 63,37.53 62.99,37.55 62.98,37.56 62.96,37.58 62.95,37.59 62.93,37.59 62.91,37.6 62.89,37.59 62.87,37.59 62.85,37.58 62.84,37.56 62.83,37.55 62.82,37.53 62.82,37.51 62.82,37.1 62.82,37.08 62.81,37.06 62.8,37.04 62.79,37.03 62.77,37.02 62.75,37.01 62.73,37.01 62.71,37.01 62.69,37.02 62.68,37.03 62.66,37.04 62.65,37.06 62.64,37.08 62.64,37.1 62.64,37.51 62.64,37.53 62.63,37.55 62.62,37.56 62.61,37.58 62.59,37.59 62.57,37.59 62.55,37.6 62.53,37.59 62.51,37.59 62.5,37.58 62.48,37.56 62.47,37.55 62.47,37.53 62.46,37.51 62.46,37.1 62.46,37.08 62.46,37.06 62.44,37.04 62.43,37.03 62.41,37.02 62.4,37.01 62.38,37.01 62.36,37.01 62.34,37.02 62.32,37.03 62.31,37.04 62.3,37.06 62.29,37.08 62.29,37.1 62.29,37.51 62.28,37.53 62.28,37.55 62.27,37.56 62.25,37.58 62.24,37.59 62.22,37.59 62.2,37.6 62.18,37.59 62.16,37.59 62.14,37.58 62.13,37.56 62.12,37.55 62.11,37.53 62.11,37.51 62.11,37.1 62.11,37.08 62.1,37.06 62.09,37.04 62.08,37.03 62.06,37.02 62.04,37.01 62.02,37.01 62,37.01 61.98,37.02 61.96,37.03 61.95,37.04 61.94,37.06 61.93,37.08 61.93,37.1 61.93,37.51 61.93,37.53 61.92,37.55 61.91,37.56 61.9,37.58 61.88,37.59 61.86,37.59 61.84,37.6 61.82,37.59 61.8,37.59 61.79,37.58 61.77,37.56 61.76,37.55 61.76,37.53 61.75,37.51 61.75,37.1 61.75,37.08 61.74,37.06 61.73,37.04 61.72,37.03 61.7,37.02 61.68,37.01 61.66,37.01 61.64,37.01 61.63,37.02 61.61,37.03 61.59,37.04 61.58,37.06 61.58,37.08 61.58,37.1 61.58,37.51 61.57,37.53 61.57,37.55 61.56,37.56 61.54,37.58 61.53,37.59 61.51,37.59 61.49,37.6 61.47,37.59 61.45,37.59 61.43,37.58 61.42,37.56 61.41,37.55 61.4,37.53 61.4,37.51 61.4,37.1 61.4,37.08 61.39,37.06 61.38,37.04 61.36,37.03 61.35,37.02 61.33,37.01 61.31,37.01 61.29,37.01 61.27,37.02 61.25,37.03 61.24,37.04 61.23,37.06 61.22,37.08 61.22,37.1 61.22,37.51 61.22,37.53 61.21,37.55 61.2,37.56 61.19,37.58 61.17,37.59 61.15,37.59 61.13,37.6 61.11,37.59 61.09,37.59 61.08,37.58 61.06,37.56 61.05,37.55 61.04,37.53 61.04,37.51 61.04,37.34 61.04,37.32 61.03,37.3 61.02,37.29 61.01,37.27 60.99,37.26 60.97,37.25 60.95,37.25 57.6,37.25 v1(57.2,37.65)